# Altium PCB KASLI-DIOT-CPU.PcbDoc (part 2 of 5)
Units mm, origin at the board's own origin, x right, y up, seen from the top; angles counter-clockwise.
Board outline 123.3 x 102 mm, 4 copper layers (Top Layer, Layer 1, Layer 2, Bottom Layer), stack 1.571 mm thick; 359 components, 345 nets, 1634 pads, 949 vias.
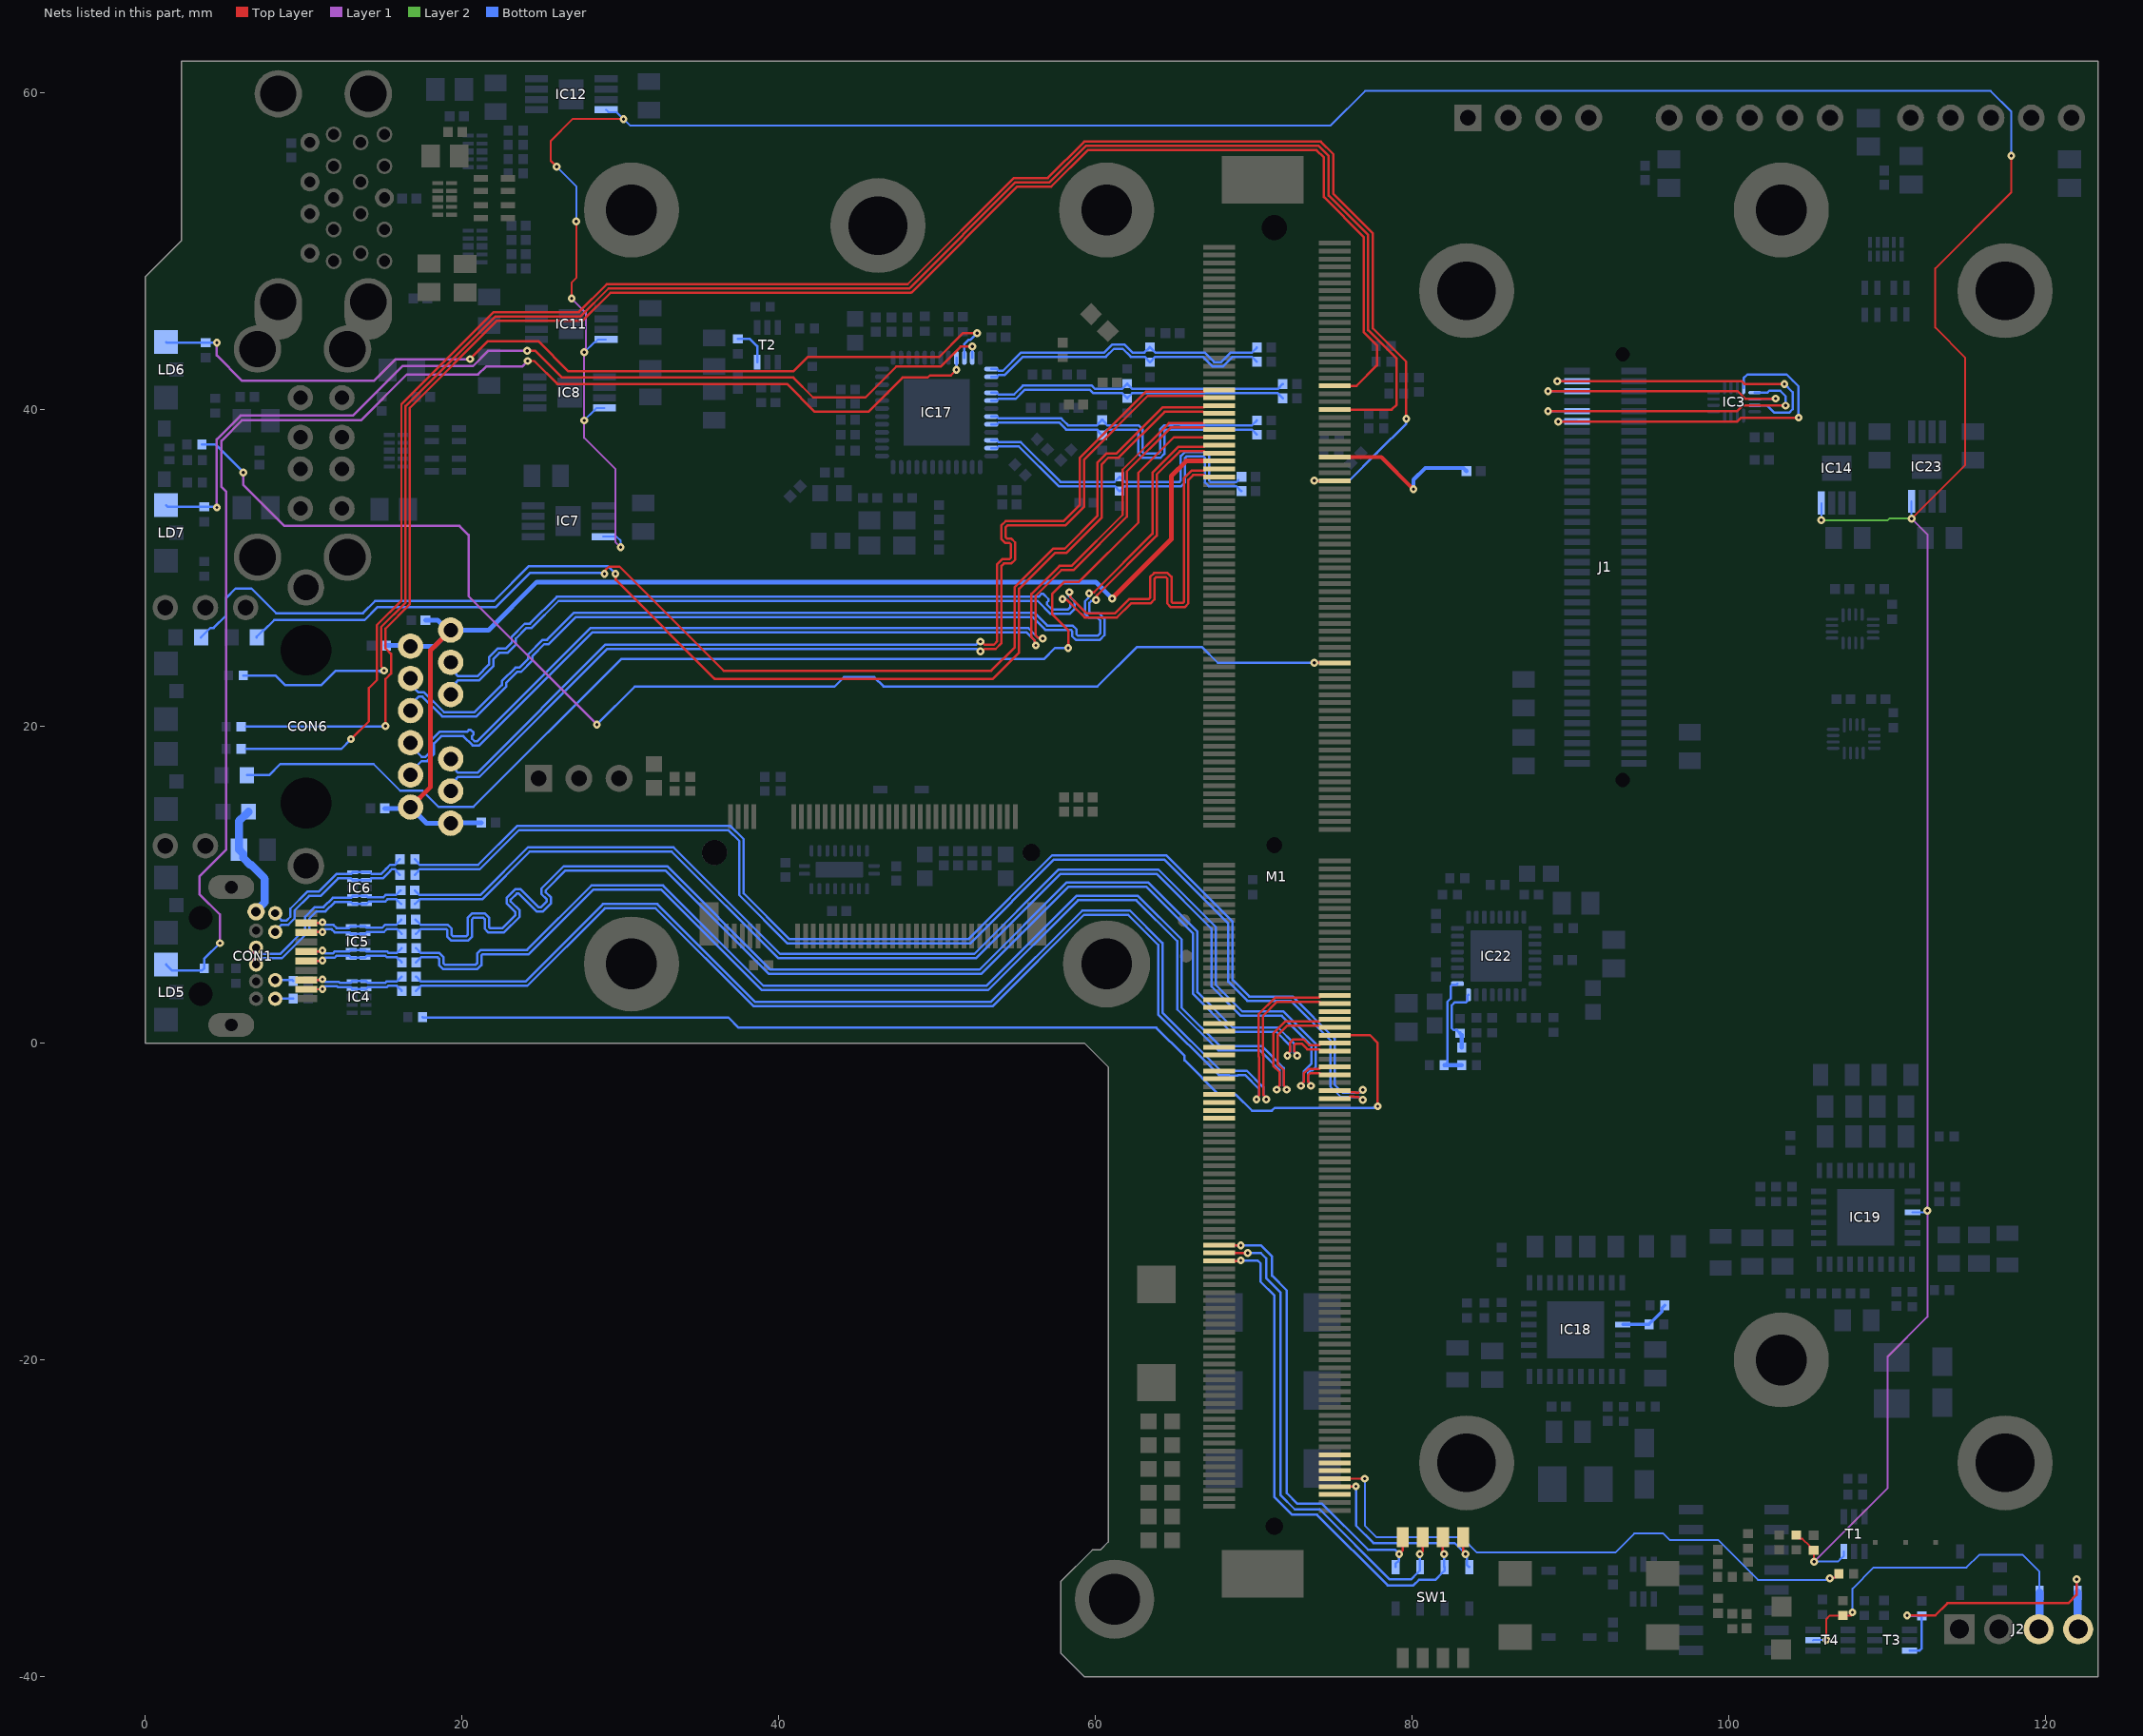
[diagram p4: the nets of this part, all layers, seen from the top]

## Footprints (in the part's own frame and the unit in brackets; to place one, negate y for a bottom-side part, rotate by r counter-clockwise, add the part's x,y. Pads: shape width x height; smd on the part's side, far side on the other; paste and mask are expansions set on the pad) (continued)
SMDARRAYC_10P4C [mil] "SMDARRAYC_10P4C"
  rect 9.8x27 smd: 1(-39.37,17.13) 2(-19.69,17.13) 4(19.69,17.13) 5(39.37,17.13) 6(39.37,-17.13) 7(19.69,-17.13) 9(-19.69,-17.13) 10(-39.37,-17.13)
  rect 16x27 smd: 3(0,17.13) 8(0,-17.13)
  silkscreen extent -65,-35 50,35, body extent -49,-21 49,21, height 20
SOD2512X110N [mm] "Small Outline Diode (SOD-323), 1.70mm W X 1.25mm L X 1.10mm H body,  IPC Medium Density"
  rect 0.9x0.5 smd: 1(-1.3,0) 2(1.3,0)
  silkscreen extent -1.62,-0.65 0.85,0.87, body extent -1.35,-0.67 1.35,0.68, height 1.1
SOD2513X114N [mm] "SOD-323 Diode; 1.75mm W X 1.30mm L X 1.14mm H Body, IPC Medium Density"
  rect 0.9x0.5 smd: 1(-1.3,0) 2(1.3,0)
  silkscreen extent -1.45,-0.72 0.95,0.82, body extent -1.4,-0.72 1.4,0.73, height 1.15
SOIC127P600X175-16N [mm] "SOIC 16, Pitch 1.27mm - Body 4x10mm, IPC Medium Density"
  rect 1.55x0.6 smd: 1(-2.7,4.445) 2(-2.7,3.175) 3(-2.7,1.905) 4(-2.7,0.635) 5(-2.7,-0.635) 6(-2.7,-1.905) 7(-2.7,-3.175) 8(-2.7,-4.445) 9(2.7,-4.445) 10(2.7,-3.175) 11(2.7,-1.905) 12(2.7,-0.635) 13(2.7,0.635) 14(2.7,1.905) 15(2.7,3.175) 16(2.7,4.445)
  silkscreen extent -2.45,-5 1.55,5.37, body extent -3.1,-5 3.1,5, height 1.75
SOP65P490X110-9N-R157X189 [mm] "SOP,0.65mm,pitch; 8 pin,3.00mm W X 3.00mm L X 1.10mm H body (w/thermal tab 1.57 X 1.89 mm), IPC Medium Density"
  rect 1.45x0.45 smd: 1(-2.2,0.975) 2(-2.2,0.325) 3(-2.2,-0.325) 4(-2.2,-0.975) 5(2.2,-0.975) 6(2.2,-0.325) 7(2.2,0.325) 8(2.2,0.975)
  rect 1.57x1.89 smd: 9(0,0)
  silkscreen extent -2.78,-1.5 1.1,1.82, body extent -2.45,-1.47 2.45,1.48, height 1.1
SOT65P210X110-6N [mm] "SOT363, SC70-6, SOT, 0.65mm Pitch, 6 Pin, 1.25mm W X 2.00mm L X 1.10mm H, IPC Medium Density"
  rect 0.95x0.4 smd: 1(-1.1,0.65) 2(-1.1,0) 3(-1.1,-0.65) 4(1.1,-0.65) 5(1.1,0) 6(1.1,0.65)
  silkscreen extent -1.42,-1 0.3,1.48, body extent -1.2,-1.1 1.2,1.1, height 1.1
SW_DIPTRONICS_DHA-04TQ [mm] "Pitch 1.27mm,  Body 6.2x6.21mm, 4 Ways SPST Surface-Mount DIP Switch, DIPTRONICS DHA Series"
  rect 1.27x0.76 smd: 1(-3.81,1.905) 2(-3.81,0.635) 3(-3.81,-0.635) 4(-3.81,-1.905) 5(3.81,-1.905) 6(3.81,-0.635) 7(3.81,0.635) 8(3.81,1.905)
  silkscreen extent -4.35,-3.1 2.82,3.1, body extent -4.05,-3.1 4.05,3.1, height 2.36
TI_RKS0020A [mm] "QFN, 20-Leads, Body 2,50x4,50mm, Pitch 0,50mm, Thermal Pad 1,00x3,00mm, IPC Medium Density"
  rrect50% 0.24x0.7 smd paste+0 mask+0.05: 1(-0.25,2.2) 10(-0.25,-2.2) 11(0.25,-2.2) 20(0.25,2.2)
  rrect50% 0.7x0.24 smd paste+0 mask+0.05: 2(-1.2,1.75) 3(-1.2,1.25) 4(-1.2,0.75) 5(-1.2,0.25) 6(-1.2,-0.25) 7(-1.2,-0.75) 8(-1.2,-1.25) 9(-1.2,-1.75) 12(1.2,-1.75) 13(1.2,-1.25) 14(1.2,-0.75) 15(1.2,-0.25) 16(1.2,0.25) 17(1.2,0.75) 18(1.2,1.25) 19(1.2,1.75)
  rrect10% 1x3 smd paste-2 mask+0.05: 21(0,0)
  silkscreen extent -1.45,-2.45 1.45,3.13, body extent -1.38,-2.38 1.38,2.38, height 1
TP_large [mm]
  round 0.8 smd: 1(0,0)
TPS127 [mm] "1.27 x  1.27mm SMD Test Point Area"
  rect 1.27x1.27 smd paste-1.27: 1(0,0)
  silkscreen extent -0.94,-0.94 0.94,0.94
WURTH_692141030100 [mm] "USB 3.0 Type A Stacked Right Angle Receptacle"
  round 1.2 hole 0.7: 1(-3.5,-2.35) 2(-1,-2.35) 3(1,-2.35) 4(3.5,-2.35) 7(0,-0.85) 16(0,2.35)
  round 1 hole 0.7: 5(4,-0.85) 6(2,-0.85) 8(-2,-0.85) 9(-4,-0.85) 10(-3.5,0.85) 11(-1,0.85) 12(1,0.85) 13(3.5,0.85) 14(4,2.35) 15(2,2.35) 17(-2,2.35) 18(-4,2.35)
  round 3 / inner round 3 / far side round 3.2 hole 2.3: 19(-6.57,-4.35)
  oval 3.9x3 hole 2.3 copper offset 0.45,0: 19(6.57,-4.35) 20(6.57,1.33)
  round 3 hole 2.3: 20(-6.57,1.33)
  silkscreen extent -7.15,-16.13 7.15,3.57, body extent -7.79,-16.13 7.79,3.57, height 16.11
XTAL_EPSON_TSX-3225 [mm] "Crystal TSX-3225 Serie, Corner Concave; 4 pin, 2.50mm L X 3.2mm W X 0.6mm H"
  rect 1.15x1.4 smd: 1(-0.8,1.1) 2(-0.8,-1.1) 3(0.8,-1.1) 4(0.8,1.1)
  silkscreen extent -2.07,1.08 -1.83,1.33, body extent -1.25,-1.6 1.25,1.6, height 0.6

## Part data
C1 C2 C3 C4: library part CTE7343-31_100UF_16V_10%_LESR0100, "Polarised capacitor", Case=D, Manufacturer=GENERIC, Manufacturer1 ComponentHeight=3.1mm, Manufacturer1 Example=AVX, Manufacturer1 Part Number=TPSD107K016R0100, Tolerance=±10%, Voltage=16V, Author="CERN DEM JLC", Component Type=Standard, CreateDate=2008-12-15, HelpURL=\\cern.ch\dfs\Applications\Altium\Datasheets\CTE-LESR_AVX_TPS.pdf, LatestRevisionDate=2009-01-20, Manufacturer Part Number=CTE7343-31_100UF_16V_10%_LESR0100, Mounted=Yes, Part Description="Low ESR 0R1 Solid Tantalum Chip Capacitor", Part Number=CTE7343-31_100UF_16V_10%_LESR0100, Pin Count=2, SMD=Yes, Socket=No, Status=Preferred, Table="Capacitors SMD"
C5 C6 C7 C8 C9 C10 C69 C73 C83 C87 C120 C125 C130 C145 C146 C147: library part CC0603_10UF_16V_20%_X5R, "Non-polarised capacitor", Case=0603, Manufacturer=GENERIC, Manufacturer1 ComponentHeight=0.8mm, Manufacturer1 Example=MURATA, Manufacturer1 Part Number=GRM188R61C106MA73D, Tolerance=±20%, Voltage=16V, Author="CERN DEM MR", Component Type=Standard, CreateDate=02.03.2016, HelpURL=\\cern.ch\dfs\Applications\Altium\Datasheets\CC0603_X5R_MURATA_GRM.pdf, LatestRevisionDate=02.03.2016, Manufacturer Part Number=CC0603_10UF_16V_20%_X5R, Mounted=Yes, Part Description="SMD Multilayer Chip Ceramic Capacitor", Part Number=CC0603_10UF_16V_20%_X5R, Pin Count=2, Sense=No, SMD=Yes, Socket=No, Status=None, TC=X5R
C11 C12 C13 C27 C51 C52 C91 C92 C95 C97 C98 C100 C101 C102 C103 C104 C105 C108 C110 C111: library part CC0805_22UF_16V_10%_X5R, "Non-polarised capacitor", Case=0805, Manufacturer=GENERIC, Manufacturer1 ComponentHeight=1.35mm, Manufacturer1 Example=TDK, Manufacturer1 Part Number=C2012X5R1C226KT, Tolerance=±10%, Voltage=16V, Author="CERN DEM JLC", Component Type=Standard, CreateDate=25.10.2012, HelpURL=\\cern.ch\dfs\Applications\Altium\Datasheets\CC0805_X5R_TDK_C.pdf, LatestRevisionDate=25.10.2012, Manufacturer Part Number=CC0805_22UF_16V_10%_X5R, Mounted=Yes, Part Description="SMD Multilayer Chip Ceramic Capacitor", Part Number=CC0805_22UF_16V_10%_X5R, Pin Count=2, Sense=No, SMD=Yes, Socket=No, Status=Preferred, TC=X5R
C14 C15 C16 C17 C18 C19 C20 C21 C22 C23 C24 C25 C26 C29 C32 C34 C35 C36 C38 C41 C42 C43 C45 C56 C57 C58 C59 C60 C61 C62 C63 C64 C65 C66 C67 C68 C79 C80 C81 C82 C96 C109 C114 C116 C131 C132 C133 C135 C138 C140 C141 C142 C143 C144 C148 C149 C150 C151 C152 C153 C154 C155: library part CC0402_100NF_16V_10%_X7R, "Non-polarised capacitor", Case=0402, Manufacturer=GENERIC, Manufacturer1 ComponentHeight=0.55mm, Manufacturer1 Example=MURATA, Manufacturer1 Part Number=GRM155R71C104KA88D, Tolerance=±10%, Voltage=16V, Author="CERN DEM JLC", Component Type=Standard, CreateDate=05/12/2013, HelpURL=\\cern.ch\dfs\Applications\Altium\Datasheets\CC0402_X7R_MURATA_GRM.pdf, LatestRevisionDate=03/12/2007, Manufacturer Part Number=CC0402_100NF_16V_10%_X7R, Mounted=Yes, Part Description="SMD Multilayer Chip Ceramic Capacitor", Part Number=CC0402_100NF_16V_10%_X7R, Pin Count=2, Sense=No, SMD=Yes, Socket=No, Status="Not Recommended", TC=X7R
C28 C30 C31 C33 C37 C39 C40 C44 C134 C136 C137 C139: library part CC0805_10UF_10V_10%_X7R, "Non-polarised capacitor", Case=0805, Manufacturer=GENERIC, Manufacturer1 ComponentHeight=1.35mm, Manufacturer1 Example=MURATA, Manufacturer1 Part Number=GRM21BR71A106KE51L, Tolerance=±10%, Voltage=10V, Author="CERN DEM JLC", Component Type=Standard, CreateDate=2012-04-30, HelpURL=\\cern.ch\dfs\Applications\Altium\Datasheets\CC0805_X7R_MURATA.pdf, LatestRevisionDate=2012-04-30, Manufacturer Part Number=CC0805_10UF_10V_10%_X7R, Mounted=Yes, Part Description="SMD Multilayer Chip Ceramic Capacitor", Part Number=CC0805_10UF_10V_10%_X7R, Pin Count=2, SMD=Yes, Socket=No, Status=Preferred, Table="Capacitors SMD", TC=X7R
C46 C47 C48 C49 C50: library part CC0402_100NF_16V_10%_X7R, "Non-polarised capacitor", Case=0402, Manufacturer=GENERIC, Manufacturer1 ComponentHeight=0.55mm, Manufacturer1 Example=PHYCOMP, Manufacturer1 Part Number=223878715649, Tolerance=±10%, Voltage=16V, Author="CERN DEM JLC", Component Type=Standard, CreateDate=2007-12-03, HelpURL=\\cern.ch\dfs\Applications\Altium\Datasheets\CC0402_X7R_PHYCOMP.pdf, LatestRevisionDate=2007-12-03, Manufacturer Part Number=CC0402_100NF_16V_10%_X7R, Mounted=Yes, Part Description="SMD Multilayer Chip Ceramic Capacitor", Part Number=CC0402_100NF_16V_10%_X7R, Pin Count=2, SMD=Yes, Socket=No, Status="Not Recommended", Table="Capacitors SMD", TC=X7R
C53 C54: library part CC0402_18PF_50V_5%_C0G, "Non-polarised capacitor", Case=0402, Manufacturer=GENERIC, Manufacturer1 ComponentHeight=0.55mm, Manufacturer1 Example=KEMET, Manufacturer1 Part Number=C0402C180J5GACTU, Tolerance=±5%, Voltage=50V, Author="CERN DEM JLC", Component Type=Standard, CreateDate=04.10.2016, HelpURL="\\cern.ch\dfs\Applications\Altium\Datasheets\CC0402_C0G_KEMET_(Commercial Grade).pdf", LatestRevisionDate=04.10.2016, Manufacturer Part Number=CC0402_18PF_50V_5%_C0G, Mounted=Yes, Part Description="SMD Multilayer Chip Ceramic Capacitor", Part Number=CC0402_18PF_50V_5%_C0G, Pin Count=2, Sense=No, SMD=Yes, Socket=No, Status=Preferred, TC=C0G/NP0
C55 C70 C74 C78 C84 C88 C117 C118 C121 C122 C123 C126 C127 C128: library part CC0402_10NF_16V_10%_X7R, "Non-polarised capacitor", Case=0402, Manufacturer=GENERIC, Manufacturer1 ComponentHeight=0.55mm, Manufacturer1 Example=PHYCOMP, Manufacturer1 Part Number=223878715636, Tolerance=±10%, Voltage=16V, Author="CERN DEM JLC", Component Type=Standard, CreateDate=03.12.2007, HelpURL=\\cern.ch\dfs\Applications\Altium\Datasheets\CC0402_X7R_PHYCOMP.pdf, LatestRevisionDate=03.12.2007, Manufacturer Part Number=CC0402_10NF_16V_10%_X7R, Mounted=Yes, Part Description="SMD Multilayer Chip Ceramic Capacitor", Part Number=CC0402_10NF_16V_10%_X7R, Pin Count=2, Sense=No, SMD=Yes, Socket=No, Status="Not Recommended", TC=X7R
C71 C72 C75 C76 C77 C85 C86 C89 C90 C99 C112 C113 C115 C119 C124 C129: library part CC0402_1UF_16V_10%_X5R, "Non-polarised capacitor", Case=0402, Manufacturer=GENERIC, Manufacturer1 ComponentHeight=0.55mm, Manufacturer1 Example=TDK, Manufacturer1 Part Number=C1005X5R1C105KT, Tolerance=±10%, Voltage=16V, Author="CERN DEM JLC", Component Type=Standard, HelpURL=\\cern.ch\dfs\Applications\Altium\Datasheets\CC0402_X5R_TDK_C.pdf, Manufacturer Part Number=CC0402_1UF_16V_10%_X5R, Mounted=Yes, Part Description="SMD Multilayer Chip Ceramic Capacitor", Part Number=CC0402_1UF_16V_10%_X5R, Pin Count=2, Sense=No, SMD=Yes, Socket=No, Status=Preferred, TC=X5R
  C71 C72 C75 C76 C77 C85 C86 C89 C90 C113 C115 C119 C124 C129: CreateDate=2012-10-25, LatestRevisionDate=2012-10-25
  C99 C112: CreateDate=25.10.2012, LatestRevisionDate=25.10.2012
C93 C106: library part CTE3528-21_33UF_16V_10%, "Polarised capacitor", Case=B, Manufacturer=GENERIC, Manufacturer1 ComponentHeight=2.1mm, Manufacturer1 Example=AVX, Manufacturer1 Part Number=TAJB336K016R, Tolerance=±10%, Voltage=16V, Author="CERN DEM JLC", Component Type=Standard, CreateDate=03.12.2007, HelpURL=\\cern.ch\dfs\Applications\Altium\Datasheets\CTE_AVX_TAJ.pdf, LatestRevisionDate=03.12.2007, Manufacturer Part Number=CTE3528-21_33UF_16V_10%, Mounted=Yes, Part Description="Solid Tantalum Chip Capacitor", Part Number=CTE3528-21_33UF_16V_10%, Pin Count=2, Sense=No, SMD=Yes, Socket=No, Status=Preferred
C94 C107: library part CTE3216-18_10UF_16V_20%_AVX_TCJ, "Polarised capacitor", Case=A, Manufacturer=AVX, Manufacturer Part Number=TCJA106M016R0200, Tolerance=±20%, Voltage=16V, Author="CERN DEM JLC", Component Type=Standard, ComponentHeight=1.8mm, CreateDate=29.03.2012, HelpURL=\\cern.ch\dfs\Applications\Altium\Datasheets\CTE_AVX_TCJ.pdf, LatestRevisionDate=29.03.2012, Mounted=Yes, Part Description="ESR 0R200 Tantalum Solid Electrolytic Chip Capacitor with Conductive Polymer Electrode", Part Number=CTE3216-18_10UF_16V_20%_AVX_TCJ, Pin Count=2, Sense=No, SMD=Yes, Socket=No, Status=Preferred
CON1: library part MULTICOMP_64L020S-331N-B, "Connector Mini DisplayPort 20 Male + 1 Shield", Manufacturer=FREEPORT, Manufacturer Part Number=64L020S-331N-B, Author="CERN DEM JMW", Component Type=Standard, ComponentHeight=8.2mm, CreateDate=2012-07-16, Family="Mini DP", HelpURL=\\cern.ch\dfs\Applications\Altium\Datasheets\MULTICOMP_64L020S-3x1N-B.pdf, LatestRevisionDate=2012-09-24, Mounted=Yes, Part Description="Mini DisplayPort Receptacle, 20 Positions, Right Angled, Contact Plating 30u\" Gold", Part Number=MULTICOMP_64L020S-331N-B, Pin Count=21, SMD=Yes, Socket=No, Status="Not Recommended", Table=Miscellaneous
CON2: library part FCI_72309-8034BLF, "Dual 4 Pin + 1 Shield USB Receptacle", Manufacturer=FCI, Manufacturer Part Number=72309-8034BLF, Author="CERN DEM JLC", Component Type=Standard, ComponentHeight=15.5mm, CreateDate=2011-03-23, Family=USB, HelpURL=\\cern.ch\dfs\Applications\Altium\Datasheets\FCI_72309-8034BLF.pdf, LatestRevisionDate=2011-03-23, Mounted=Yes, Part Description="Dual Right Angle USB Type A Receptacle, Through Hole, 30u GXT Contact, 8 Pins, Shield With Bright Tin Plating, 1.57 mm PCB, White HSG", Part Number=FCI_72309-8034BLF, Pin Count=9, SMD=No, Socket=No, Status=None, Table=FCI
CON5: library part WURTH_692141030100, "2x9 Pin + 1 Shield  Duals USB 3.0 Type A Receptacle", Manufacturer="WURTH ELEKTRONIK", Manufacturer Part Number=692141030100, Author="CERN DEM JLC", Component Type=Standard, ComponentHeight=16.11mm, CreateDate=2013-06-27, Family="USB 3.0", HelpURL=\\cern.ch\dfs\Applications\Altium\Datasheets\WURTH_692141030100.pdf, LatestRevisionDate=2013-06-27, Mounted=Yes, Part Description="USB 3.0 Type A Stacked Right Angle Receptacles", Part Number=WURTH_692141030100, Pin Count=19, SMD=No, Socket=No, Status=None, Table=Miscellaneous
CON6: library part BELFUSE_L829-1J1T-43, "1 Port, RJ45, Gigabit Ethernet, MagJack Connector Module With Yellow And Green/Orange LEDs,", Manufacturer=BELFUSE, Manufacturer Part Number=L829-1J1T-43, Author="CERN DEM JLC", Component Type=Standard, ComponentHeight=13.3mm, CreateDate=2011-08-22, Family=RJ45, HelpURL=\\cern.ch\dfs\Applications\Altium\Datasheets\BELFUSE_L829-1J1T-43.pdf, LatestRevisionDate=2012-04-12, Mounted=Yes, Part Description="1 Port, Yellow/ Green-Yellow LEDs,  RJ45 10/100/1000 Gigabit Ethernet, MagJack® Connector Module", Part Number=BELFUSE_L829-1J1T-43, Pin Count=19, SMD=No, Socket=No, Status=None, Table=Miscellaneous
D1 D2 D3 D4 D5 D6 D9: "Bi-Directional ESD Protection Diode", Case=SOD323, Manufacturer=NEXPERIA, Power=500W, Voltage=3V3, Author="CERN DEM JMW", Bonding=No, Component Type=Standard, ComponentHeight=1.1mm, CreateDate=28.07.2021, Device=PESD3V3L1BA, HelpURL=\\cern.ch\dfs\Applications\Altium\Datasheets\PESD3V3L1BA.pdf, LatestRevisionDate=28.07.2021, Manufacturer Part Number=PESD3V3L1BA, Mounted=Yes, PackageDescription="Small Outline Diode (SOD323), 1.70mm W X 1.25mm L X 1.10mm H Body,  IPC Medium Density", Part Description="Low Capacitance 23kV Bidirectional ESD Protection Diode", Part Number=PESD3V3L1BA, Pin Count=2, PressFit=No, Sense=No, SMD=Yes, Socket=No
D7 D8: "Unidirectional ESD Protection for Transient Voltage Suppressor Diode", Case=SOD-323, Manufacturer=BOURNS, Power=350W, Voltage=12V, Author="CERN DEM BC", Bonding=No, Component Type=Standard, ComponentHeight=1.14mm, CreateDate=26.07.2017, Device=CDSOD323-T12, HelpURL=\\cern.ch\dfs\Applications\Altium\Datasheets\CDSOD323-T12.pdf, LatestRevisionDate=26.07.2017, Manufacturer Part Number=CDSOD323-T12, Mounted=Yes, PackageDescription="SOD-323 Diode; 1.75mm W X 1.30mm L X 1.14mm H Body, IPC Medium Density", Part Description="Unidirectional ESD Protection for Transient Voltage Suppressor Diode", Part Number=CDSOD323-T12, Pin Count=2, PressFit=No, Sense=No, SMD=Yes, Socket=No
D11: "Schottky Diode", Case=SOD-323, Manufacturer=INFINEON, Power=750mA, Voltage=40V, Author="CERN DEM JLC", Bonding=No, Component Type=Standard, ComponentHeight=1.1mm, CreateDate=12.11.2014, Device=BAT165, HelpURL=\\cern.ch\dfs\Applications\Altium\Datasheets\BAT165.pdf, LatestRevisionDate=12.11.2014, Manufacturer Part Number=BAT165, Mounted=Yes, PackageDescription="Small Outline Diode (SOD-323), 1.70mm W X 1.25mm L X 1.10mm H body,  IPC Medium Density", Part Description="Medium Power AF Schottky Diode", Part Number=BAT165, Pin Count=2, PressFit=No, Sense=No, SMD=Yes, Socket=No
F1: library part FUS0603_BOURNS-SF-0603F050-2, "Fuse", Case=0603, Manufacturer=BOURNS, Manufacturer Part Number=SF-0603F050-2, Author="CERN DEM JLC", Component Type=Standard, ComponentHeight=0.55mm, CreateDate=01.02.2017, Family=Fuse, HelpURL=\\cern.ch\dfs\Applications\Altium\Datasheets\FUSC_BOURNS_SF-0603F.pdf, LatestRevisionDate=01.02.2017, Mounted=Yes, PackageDescription="Chip Fuse, 2-Leads, Body 1.6mm x 0.8mm, IPC Medium Density", Part Description="Fast Acting Thin Film Chip Fuse for Overcurrent Protection, SinglFuse™ SF-0603F  Series", Part Number=FUS0603_BOURNS-SF-0603F050-2, Pin Count=2, PressFit=No, Sense=No, SMD=Yes, Socket=No
FB1 L1 L2 L5 L6 L7 L8 L11 L12 L13 L15 L16 L18 L19 L20 L21: library part IND0805_MURATA_BLM21PG221SN1D, "Inductor", Case=0805, Manufacturer=MURATA, Manufacturer Part Number=BLM21PG221SN1D, Power=2A, Resistance=0.05R, Tolerance=±25%, Author="CERN DEM JLC", Component Type=Standard, ComponentHeight=1.05mm, HelpURL=\\cern.ch\dfs\Applications\Altium\Datasheets\IND0402_MURATA_BLM21P.pdf, Mounted=Yes, Part Number=IND0805_MURATA_BLM21PG221SN1D, Pin Count=2, SMD=Yes, Socket=No, Status=None, Table="Inductors SMD"
  FB1: CreateDate=2010-01-25, LatestRevisionDate=2010-01-25, Part Description="SMD EMIFIL Suppression Chip Bead Ferrite"
  L1 L2 L5 L6 L7 L8 L11 L12 L13 L15 L16 L18: CreateDate=2010-01-25, LatestRevisionDate=2010-01-25, Part Description="SMD EMIFIL Suppression Chip Ferrite Bead"
  L19 L20 L21: CreateDate=25/01/2010, LatestRevisionDate=25/01/2010, Part Description="SMD EMIFIL Suppression Chip Bead Ferrite"
IC1 IC2 IC3: "4-Bit Dual-Supply Bus Transceiver with Configurable Voltage Translation and 3-State Output", Case=QFN16, Manufacturer="TEXAS INSTRUMENTS", Author="CERN DEM JLC", Bonding=No, Component Type=Standard, ComponentHeight=0.55mm, CreateDate=08.07.2014, Device=SN74AVC4T245RSVR, HelpURL=\\cern.ch\dfs\Applications\Altium\Datasheets\SN74AVC4T245RSVR.pdf, LatestRevisionDate=30.03.2017, Manufacturer Part Number=SN74AVC4T245RSVR, Mounted=Yes, PackageDescription="QFN, 0.40mm Pitch, Rect.; 16 Pin, 2.60mm L X 1.80mm W X 0.55mm H Body, IPC Medium Density", Part Description="4-Bit Dual-Supply Bus Transceiver with Configurable Voltage Translation and 3-State Outputs", Part Number=SN74AVC4T245RSVR, Pin Count=16, PressFit=No, Sense=No, SMD=Yes, Socket=No, Status="Not Recommended"
IC4 IC5 IC6 IC9 IC10 IC13 IC15 IC16: library part D_TVS_RCLAMP0524P, "DIODE,RCLAMP0524P,SEMTECH", Specification="SMD,ESD COMPONENT,ROHS"
IC7 IC8 IC11 IC12 IC14 IC23: "One Channel, Current-Limited, Power-Distribution Switches", Case=SSOP8, Manufacturer="TEXAS INSTRUMENTS", Author="CERN DEM BC", Bonding=No, Component Type=Standard, ComponentHeight=1.1mm, CreateDate=06.07.2020, Device=TPS2051BDGN, HelpURL=\\cern.ch\dfs\Applications\Altium\Datasheets\TPS2051BDGN.pdf, LatestRevisionDate=06.07.2020, Manufacturer Part Number=TPS2051BDGN, Mounted=Yes, PackageDescription="SOP, 0.65mm Pitch; 8 Pin, 3.00mm W X 3.00mm L X 1.10mm H body (w/Thermal Tab 1.57 X 1.89mm), IPC Medium Density", Part Description="One Channel, Current-Limited (500mA), Power-Distribution Switches", Part Number=TPS2051BDGN, Pin Count=8, PressFit=No, Sense=No, SMD=Yes, Socket=No